# Altium PCB RX_test_01.PcbDoc (part 2 of 3) (continued)
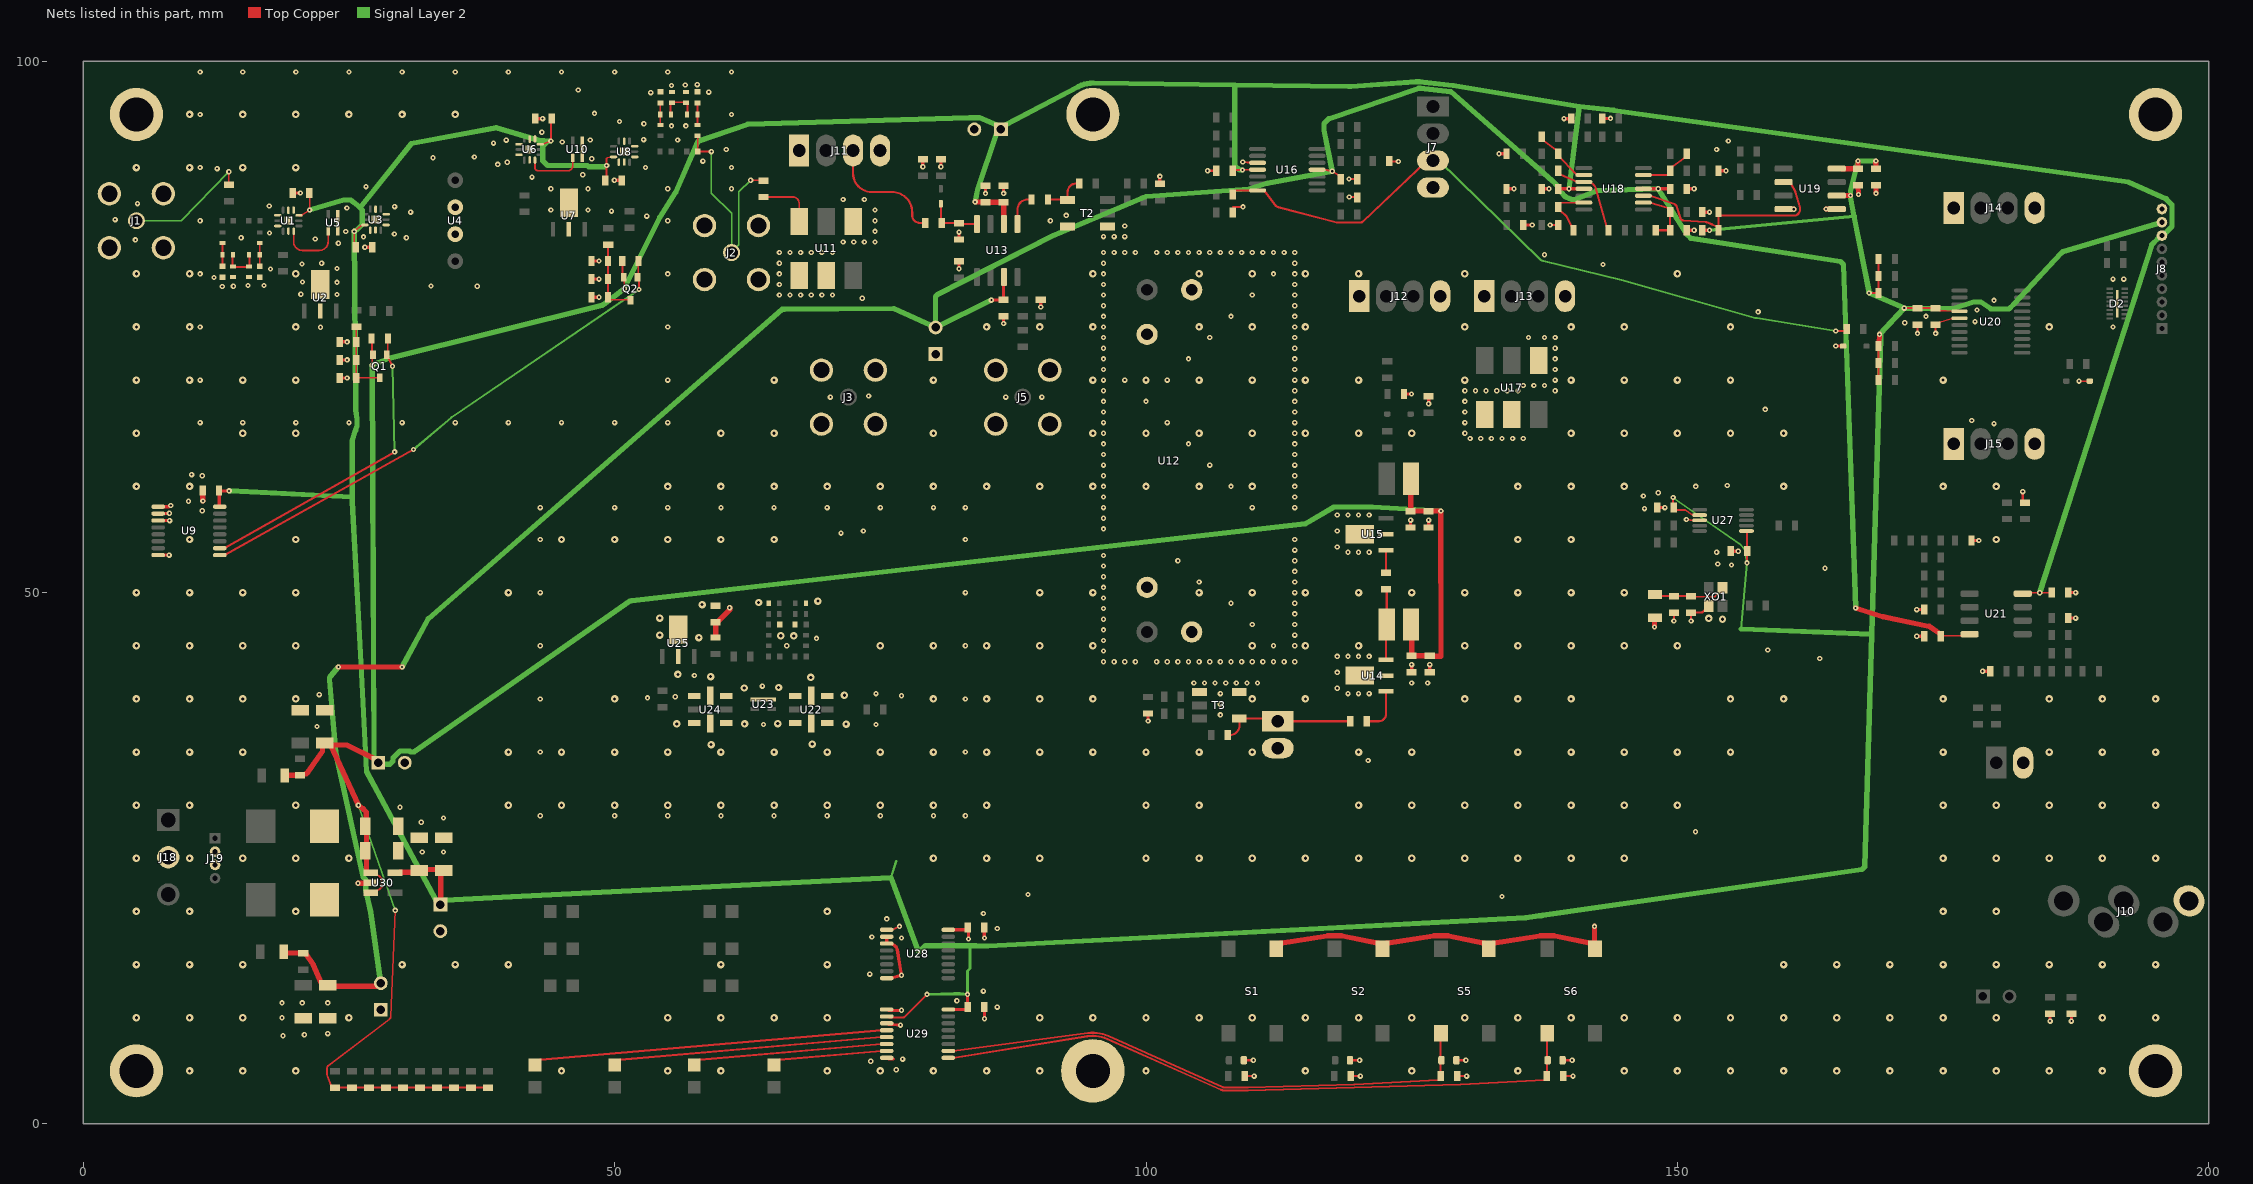
[diagram p4: the nets of this part, all layers, seen from the top]
## Part data (continued)
R62 R64: library part RC0603FR-072K4L, "RES SMD 2.4K OHM 1% 1/10W 0603", Manufacturer=Yageo, Operating Temperature="-55°C ~ 155°C", Package / Case="0603 (1608 Metric)", Power (Watts)="0.1W, 1/10W", Resistance=2k4, Supplier Device Package=0603, Supplier Part Number 1=603-RC0603FR-072K4L, Temperature Coefficient=±100ppm/°C, Tolerance=±1%, Category=Resistors, ComponentLink1Description=http://www.yageo.com/documents/recent/PYu-RC_Group_51_RoHS_L_8.pdf, ComponentLink1URL=http://www.yageo.com/documents/recent/PYu-RC_Group_51_RoHS_L_8.pdf, Composition="Thick Film", Failure Rate=-, Features="Moisture Resistant", Height - Seated (Max)="0.022\" (0.55mm)", Manufacturer Part Number=RC0603FR-072K4L, Packaging="Cut Tape (CT)", Part Status=Active, Pricing 1="1=0.1, 10=0.015, 100=0.006, 1000=0.00268, 2500=0.00233 (USD)", RoHS="RoHS Compliant", Size / Dimension="0.063\" L x 0.032\" W (1.60mm x 0.80mm)", Stock 1=577810, Supplier 1=Mouser, Supplier 2=Farnell, Supplier 3=Digi-Key, Supplier Part Number 2=1799329, Supplier Part Number 3=311-2.40KHRCT-ND
R63 R65: library part RC0603FR-073KL, "RES SMD 3K OHM 1% 1/10W 0603", Case Code (Imperial)=0603, Case Code (Metric)=1608, Manufacturer=Yageo, Max Operating Temperature=155°C, Max Power Dissipation=100mW, Min Operating Temperature=-55°C, Resistance=3k, Resistance Tolerance=1%, Resistor Type="Thick Film", Supplier Part Number 1=603-RC0603FR-073KL, Temperature Coefficient=100ppm/°C, Voltage Rating=50V, Case/Package=0603, Category="Chip SMD Resistors", ComponentLink1Description=http://components.arrow.com/part/dataview/0323_00200942?src-supplier=Arrow+Europe, ComponentLink1URL=http://components.arrow.com/part/dataview/0323_00200942?src-supplier=Arrow+Europe, ComponentLink2Description=http://www.mouser.com/ds/2/447/RC0603-272842.pdf?src-supplier=Mouser, ComponentLink2URL=http://www.mouser.com/ds/2/447/RC0603-272842.pdf?src-supplier=Mouser, ComponentLink3Description=http://www.farnell.com/datasheets/2167052.pdf?src-supplier=Farnell, ComponentLink3URL=http://www.farnell.com/datasheets/2167052.pdf?src-supplier=Farnell, ComponentLink4Description=https://www.verical.com/server-webapp/html/getDatasheet?partID=135099&src-supplier=Verical, ComponentLink4URL=https://www.verical.com/server-webapp/html/getDatasheet?partID=135099&src-supplier=Verical, ComponentLink5Description=http://www.farnell.com/datasheets/2167052.pdf?src-supplier=Element14, ComponentLink5URL=http://www.farnell.com/datasheets/2167052.pdf?src-supplier=Element14, ComponentLink6Description=http://www.farnell.com/datasheets/1868787.pdf?src-supplier=Newark, ComponentLink6URL=http://www.farnell.com/datasheets/1868787.pdf?src-supplier=Newark, ComponentLink7Description=http://www.yageo.com/documents/recent/PYu-RC0603_51_RoHS_L_7.pdf?src-supplier=Future+Electronics, ComponentLink7URL=http://www.yageo.com/documents/recent/PYu-RC0603_51_RoHS_L_7.pdf?src-supplier=Future+Electronics, ComponentLink8Description=http://www.yageo.com/documents/recent/PYu-RC_Group_51_RoHS_L_9.pdf?src-supplier=Digi-Key, ComponentLink8URL=http://www.yageo.com/documents/recent/PYu-RC_Group_51_RoHS_L_9.pdf?src-supplier=Digi-Key, ComponentLink9Description=http://www.yageo.com/documents/recent/PYu-RC_Group_51_RoHS_L_10.pdf?src-supplier=Digi-Key, ComponentLink9URL=http://www.yageo.com/documents/recent/PYu-RC_Group_51_RoHS_L_10.pdf?src-supplier=Digi-Key, Construction=Rectangular, Depth=0.8mm, Features="Moisture Resistant", Lead Free="Lead Free", Length=1.6mm, Manufacturer Part Number=RC0603FR-073KL, Military Standard=Not, Number of Pins=2, Number of Terminations=2, Packaging="Tape and Reel", Power Rating=100mW, Pricing 1="1=0.10000, 10=0.01800, 50=0.01800, 100=0.00600, 1000=0.00500, 10000=0.00300 (USD)", REACH SVHC="No SVHC", RoHS=Yes, RoHS Compliant=Yes, Series=RC, Size Code=0603, Stock 1=515955, Supplier 1=Mouser, Supplier 2=Farnell, Supplier 3=Digi-Key, Supplier Part Number 2=3495834, Supplier Part Number 3=311-3.00KHRCT-ND, Termination=SMD/SMT, Tolerance=1%, Voltage Rating (DC)=50V, Width=800um
R73 R94 R97: library part RC0603FR-0718KL, "YAGEO (PHYCOMP) - RC0603FR-0718KL - SMD Chip Resistor, 0603 [1608 Metric], 18 kohm, RC Series, 75 V, Thick Film, 100 mW", Case Code (Imperial)=0603, Case Code (Metric)=1608, Manufacturer=Yageo, Max Operating Temperature=155°C, Max Power Dissipation=100mW, Min Operating Temperature=-55°C, Resistance=18k, Resistance Tolerance=1%, Resistor Type="Thick Film", Supplier Part Number 1=603-RC0603FR-0718KL, Temperature Coefficient=100ppm/°C, Voltage Rating=75V, Voltage Rating (DC)=50V, Case/Package=0603, Category="Chip SMD Resistors", ComponentLink1Description=https://datasheet.ciiva.com/11819/0900766b80f96399-11819270.pdf?src-supplier=RSComponents, ComponentLink1URL=https://datasheet.ciiva.com/11819/0900766b80f96399-11819270.pdf?src-supplier=RSComponents, ComponentLink2Description=https://datasheet.ciiva.com/15189/getdatasheetpartid-325162-15189626.pdf?src-supplier=Verical, ComponentLink2URL=https://datasheet.ciiva.com/15189/getdatasheetpartid-325162-15189626.pdf?src-supplier=Verical, ComponentLink3Description=https://datasheet.ciiva.com/7746/443971-7746268.pdf?src-supplier=Element14, ComponentLink3URL=https://datasheet.ciiva.com/7746/443971-7746268.pdf?src-supplier=Element14, ComponentLink4Description=https://datasheet.ciiva.com/7746/443971-7746269.pdf?src-supplier=Element14, ComponentLink4URL=https://datasheet.ciiva.com/7746/443971-7746269.pdf?src-supplier=Element14, Construction=Rectangular, Depth=0.8mm, Features="Moisture Resistant", Height=0.45mm, Lead Free="Lead Free", Length=1.6mm, Manufacturer Part Number=RC0603FR-0718KL, Military Standard=Not, Number of Pins=2, Number of Terminations=2, Packaging="Tape and Reel", Power Rating=100mW, Pricing 1="1=0,10000, 10=0,01800, 50=0,01800, 100=0,00600, 1000=0,00500, 10000=0,00300 (USD)", REACH SVHC=Unknown, RoHS=Yes, RoHS Compliant=Yes, Series=RC, Size Code=0603, Stock 1=137359, Supplier 1=Mouser, Supplier 2=Farnell, Supplier 3=Digi-Key, Supplier Part Number 2=9238638, Supplier Part Number 3=311-18.0KHRCT-ND, Technology="THICK FILM", Termination=SMD/SMT, Tolerance=1%, Weight=7.1E-05oz, Width=0.8mm
R91 R92: library part RC0603FR-073R9L, "YAGEO - RC0603FR-073R9L - RES, 3R9, 1%, 0.1W, 0603, THICK FILM", Case Code (Imperial)=0603, Case Code (Metric)=1608, Manufacturer=Yageo, Max Operating Temperature=155°C, Max Power Dissipation=100mW, Min Operating Temperature=-55°C, Resistance=3R9, Supplier Part Number 1=603-RC0603FR-073R9L, Temperature Coefficient=200ppm/°C, Tolerance=1%, Voltage Rating=50V, Case/Package=0603, ComponentLink1Description=https://datasheet.ciiva.com/11819/0900766b80c66297-11819668.pdf?src-supplier=RSComponents, ComponentLink1URL=https://datasheet.ciiva.com/11819/0900766b80c66297-11819668.pdf?src-supplier=RSComponents, ComponentLink2Description=https://datasheet.ciiva.com/12575/rc0603-272842-12575846.pdf?src-supplier=Mouser, ComponentLink2URL=https://datasheet.ciiva.com/12575/rc0603-272842-12575846.pdf?src-supplier=Mouser, Composition="Thick Film", Depth=0.8mm, Features="Moisture Resistant", Height=0.45mm, Length=1.6mm, Manufacturer Part Number=RC0603FR-073R9L, Military Standard=Not, Number of Pins=2, Number of Terminations=2, Packaging="Tape and Reel", Power Rating=100mW, Pricing 1="1 = 0.15000, 10 = 0.03600, 50 = 0.03600, 100 = 0.01200, 1000 = 0.00900, 5000 = 0.00600, 10000 = 0.00600, 25000 = 0.00500, 50000 = 0.00400 (USD)", REACH SVHC=Unknown, RoHS=Yes, Stock 1=33978, Supplier 1=Mouser, Supplier 2=Farnell, Supplier 3=Arrow, Supplier Part Number 2=9238190, Supplier Part Number 3=RC0603FR-073R9L, Termination=SMD/SMT, Voltage Rating (DC)=50V, Width=0.8mm
R96: library part RC0603FR-072KL, "RES SMD 2K OHM 1% 1/10W 0603", Manufacturer=Yageo, Operating Temperature="-55°C ~ 155°C", Package / Case="0603 (1608 Metric)", Power (Watts)="0.1W, 1/10W", Resistance=2k, Supplier Device Package=0603, Supplier Part Number 1=603-RC0603FR-072KL, Temperature Coefficient=±100ppm/°C, Tolerance=±1%, Category=Resistors, ComponentLink1Description=http://www.yageo.com/documents/recent/PYu-RC_Group_51_RoHS_L_8.pdf, ComponentLink1URL=http://www.yageo.com/documents/recent/PYu-RC_Group_51_RoHS_L_8.pdf, Composition="Thick Film", Failure Rate=-, Features="Moisture Resistant", Height - Seated (Max)="0.022\" (0.55mm)", Manufacturer Part Number=RC0603FR-072KL, Packaging="Cut Tape (CT)", Part Status=Active, Pricing 1="1=0.1, 10=0.015, 100=0.006, 1000=0.00268, 2500=0.00233 (USD)", RoHS="RoHS Compliant", Size / Dimension="0.063\" L x 0.032\" W (1.60mm x 0.80mm)", Stock 1=3375770, Supplier 1=Mouser, Supplier 2=Farnell, Supplier 3=Digi-Key, Supplier 4=Arrow, Supplier Part Number 2=1799328, Supplier Part Number 3=311-2.00KHRCT-ND, Supplier Part Number 4=RC0603FR-072KL
S1 S2 S5 S6: "WS-TASV SMT Tact Switch, 6x6x4.3mm, 160gf", Manufacturer="Wurth Elektronik", Operating Temperature="-40 to +85degC", Rated Current=50mA, Rated Voltage=12VDC, Supplier Part Number 1=710-430182043816, ComponentLink1Description=Manufacturer, ComponentLink1URL=http://www.we-online.de, ComponentLink2Description=Datasheet, ComponentLink2URL=https://www.we-online.com/catalog/datasheet/430182043816.pdf, Contact Material="Stainless Steel", Contact Plating=Silver, Manufacturer Part Number=430182043816, Mounting Technology=SMT, Operation Force=160gf, Packaging="Tape and Reel", Published Date="November 2020", Size=6x6x4.3mm, Supplier 1=Mouser, Supplier 2=Farnell, Supplier 3=RSComponents, Supplier Part Number 2=2065105, Supplier Part Number 3=7856260, Terminal Material="Copper Alloy", Terminal Plating=Silver, Washable=No
T2 T3: "RF Transformer, 50 ohm, 16.0: 1, 0.60-160 MHz, SMT", Manufacturer=Mini-Circuits, Supplier Part Number 1=139-TC16-161T, Manufacturer Part Number=TC16-161T+, Pricing 1="1=3.45000, 10=2.88000, 50=2.88000, 100=2.36000, 250=1.96000, 500=1.84000, 1000=1.73000, 2000=1.64000, 4000=1.52000, 10000=1.49000 (USD)", RoHS=Yes, RoHS Compliant=Yes, Stock 1=1094, Supplier 1=Mouser, Supplier 2=Digi-Key, Supplier Part Number 2=3157-TC16-161T+CT-ND
U1 U3 U6 U8: "RF Switch, SP3T, 0.1 - 6.0 GHz, 0.45 dB IL, 30 dB isolation, SOI, 12-pin QFN pkg", Case/Package=QFN, Manufacturer="Skyworks Solutions", Max Operating Temperature=105°C, Min Operating Temperature=-40°C, Supplier Part Number 1=873-SKY13588-460LF, Category="RF Semiconductors and Devices", ComponentLink1Description=http://www.mouser.com/ds/2/472/SKY13588_460LF_203512B-875813.pdf?src-supplier=Mouser, ComponentLink1URL=http://www.mouser.com/ds/2/472/SKY13588_460LF_203512B-875813.pdf?src-supplier=Mouser, ComponentLink2Description=http://www.skyworksinc.com/uploads/documents/SKY13588_460LF_203512D.pdf?src-supplier=Digi-Key, ComponentLink2URL=http://www.skyworksinc.com/uploads/documents/SKY13588_460LF_203512D.pdf?src-supplier=Digi-Key, IIP3=70dBm, Impedance=50R, Manufacturer Part Number=SKY13588-460LF, Packaging="Tape and Reel", Pricing 1="1=1.27000, 10=1.09000, 50=1.09000, 100=0.83300, 1000=0.58200, 10000=0.48100 (USD)", RoHS=Yes, RoHS Compliant=Yes, Stock 1=5209, Supplier 1=Mouser, Supplier 2=Digi-Key, Supplier Part Number 2=863-1817-1-ND, Throw Configuration=SP3T
U2 U7: "LNA NF=0.6dB ML AMPL / SURF MT / 4GHZ RoHS", Manufacturer=Mini-Circuits, Supplier Part Number 1=139-PGA-103, Category="RF Amplifiers", ComponentLink1Description=https://datasheet.octopart.com/PGA-103%2B-Mini-Circuits-datasheet-79796973.pdf?src-supplier=Component+Distributors+Inc., ComponentLink1URL=https://datasheet.octopart.com/PGA-103%2B-Mini-Circuits-datasheet-79796973.pdf?src-supplier=Component+Distributors+Inc., Manufacturer Part Number=PGA-103+, Pricing 1="1=3.67000, 10=3.28000, 50=3.28000, 100=2.69000, 1000=1.83000, 10000=1.74000 (USD)", RoHS Compliant=Yes, Stock 1=449, Supplier 1=Mouser, Supplier 2=Digi-Key, Supplier Part Number 2=3157-PGA-103+CT-ND
U4: "Saw Filters 446MHz", Frequency=446MHz, Manufacturer=Abracon, Max Operating Temperature=80°C, Min Operating Temperature=-40°C, Supplier Part Number 1=815-AFS446.0W2-TD1, Voltage Rating (DC)=10V, Category="EMI / RFI Components", ComponentLink1Description=https://datasheet.ciiva.com/4548/afs446-0w02-td01-43048-4548368.pdf?src-supplier=Mouser, ComponentLink1URL=https://datasheet.ciiva.com/4548/afs446-0w02-td01-43048-4548368.pdf?src-supplier=Mouser, Impedance=50R, Insertion Loss=4.5dB, Manufacturer Part Number=AFS446.0W02-TD01, Pricing 1="1=0.93000, 10=0.85800, 50=0.70100, 100=0.57200, 1000=0.48600, 10000=0.34600 (USD)", RoHS=Yes, RoHS Compliant=Yes, Stock 1=608, Supplier 1=Mouser, Termination=Radial
U5 U10: "Chip Attenuator 10GHz 10dB, 100mW", Attenuation Value=10dB, Case Code (Imperial)=0805, Case Code (Metric)=2012, Manufacturer=Susumu, Max Power Dissipation=100mW, Package Quantity=1, Supplier Part Number 1=754-PAT1220C10DBT5, Case/Package=0805, Category=Uncategorized, ComponentLink1Description=https://datasheet.ciiva.com/15101/getdatasheetpartid-483968-15101130.pdf?src-supplier=Verical, ComponentLink1URL=https://datasheet.ciiva.com/15101/getdatasheetpartid-483968-15101130.pdf?src-supplier=Verical, ComponentLink2Description=https://datasheet.ciiva.com/2788/products-38-2788376.pdf?src-supplier=Digi-Key, ComponentLink2URL=https://datasheet.ciiva.com/2788/products-38-2788376.pdf?src-supplier=Digi-Key, ComponentLink3Description=https://datasheet.ciiva.com/2788/products-38-2788374.pdf?src-supplier=Digi-Key, ComponentLink3URL=https://datasheet.ciiva.com/2788/products-38-2788374.pdf?src-supplier=Digi-Key, ComponentLink4Description=https://datasheet.ciiva.com/2788/products-38-2788375.pdf?src-supplier=Digi-Key, ComponentLink4URL=https://datasheet.ciiva.com/2788/products-38-2788375.pdf?src-supplier=Digi-Key, Impedance=50R, Lead Free="Lead Free", Manufacturer Part Number=PAT1220-C-10DB-T5, Number of Pins=3, Packaging="Tape and Reel", Pricing 1="1=0.35000, 10=0.30800, 25=0.27800, 100=0.24300, 250=0.21300, 500=0.18800, 1000=0.14800, 5000=0.12500, 10000=0.12000 (USD)", RoHS=Yes, Supplier 1=Mouser
U9 U28 U29: "IC I/O EXPANDER I2C 8B 16TSSOP", Case/Package=TSSOP, Frequency=400kHz, Manufacturer="Texas Instruments", Max Operating Temperature=85°C, Min Operating Temperature=-40°C, Supplier Part Number 1=595-TCA9534APWR, ComponentLink1Description=http://www.ti.com/general/docs/lit/getliterature.tsp?genericPartNumber=TCA9534A&&fileType=pdf&src-supplier=Avnet, ComponentLink1URL=http://www.ti.com/general/docs/lit/getliterature.tsp?genericPartNumber=TCA9534A&&fileType=pdf&src-supplier=Avnet, ComponentLink2Description=http://www.ti.com/lit/ds/symlink/tca9534a.pdf?src-supplier=Digi-Key, ComponentLink2URL=http://www.ti.com/lit/ds/symlink/tca9534a.pdf?src-supplier=Digi-Key, ComponentLink3Description=http://www.ti.com/general/docs/lit/getliterature.tsp?genericPartNumber=TCA9534A&&fileType=pdf&src-supplier=Avnet+Asia, ComponentLink3URL=http://www.ti.com/general/docs/lit/getliterature.tsp?genericPartNumber=TCA9534A&&fileType=pdf&src-supplier=Avnet+Asia, ComponentLink4Description=http://www.ti.com/lit/pdf/sszc003?src-supplier=Digi-Key, ComponentLink4URL=http://www.ti.com/lit/pdf/sszc003?src-supplier=Digi-Key, Contact Plating=Gold, Interface=I2C, Lead Free="Lead Free", Manufacturer Part Number=TCA9534APWR, Mount="Surface Mount", Number of I/Os=8, Number of Outputs=8, Number of Pins=16, Packaging="Tape and Reel", Pricing 1="1 = 1.25000, 10 = 1.07000, 50 = 1.07000, 100 = 0.81500, 500 = 0.72100, 1000 = 0.56900, 2000 = 0.50500, 10000 = 0.48600, 24000 = 0.47000, 50000 = 0.45500 (USD)", RoHS=Yes, Stock 1=3614, Supplier 1=Mouser, Supplier 2=Digi-Key, Supplier 3=Arrow, Supplier Part Number 2=296-40573-1-ND, Supplier Part Number 3=TCA9534APWR
U11 U17: "RF Mixer, 0.50 to 500 MHz, SMT", Manufacturer=Mini-Circuits, Supplier Part Number 1=139-ADE-1H, Category="RF Mixers", Manufacturer Part Number=ADE-1H+, Pricing 1="1=8.29000, 10=7.49000, 50=7.14000, 100=6.20000, 1000=4.69000, 10000=4.69000 (USD)", RoHS=Yes, Stock 1=949, Supplier 1=Mouser, Supplier 2=Digi-Key, Supplier Part Number 2=3157-ADE-1H+CT-ND
U12: "10.7 MHz crystal band-pass filter, 8 poles / - Bandwidth (-3dB): 12 KHz / - Selectivity: 90 dB / - Impedance: 900 Ω / - Dimensions: 38 x 18 mm, h 12 mm"
U13: "Differential High-Frequency Amplifier with AGC 8-SOIC 0 to 70", Case/Package=D, Dual Supply Voltage=6V, Input Bias Current=30uA, Manufacturer="Texas Instruments", Max Dual Supply Voltage=8V, Max Operating Temperature=70°C, Max Power Dissipation=725mW, Min Dual Supply Voltage=3V, Min Operating Temperature=0°C, Nominal Supply Current=27mA, Operating Supply Current=22mA, Operating Supply Voltage=16V, Output Current per Channel=4mA, Package Quantity=75, Supplier Part Number 1=595-TL026CD, Voltage Gain=38.59dB, -3db Bandwidth=50MHz, Bandwidth=50MHz, Category="Amplifiers - Op Amps, Buffer, Instrumentation", Common Mode Rejection Ratio=60dB, ComponentLink1Description=https://datasheet.ciiva.com/26857/tl026cd-26857756.pdf?src-supplier=IIIC, ComponentLink1URL=https://datasheet.ciiva.com/26857/tl026cd-26857756.pdf?src-supplier=IIIC, ComponentLink2Description=https://datasheet.ciiva.com/28430/slfs007a-28430037.pdf?src-supplier=Avnet+Europe, ComponentLink2URL=https://datasheet.ciiva.com/28430/slfs007a-28430037.pdf?src-supplier=Avnet+Europe, ComponentLink3Description=https://datasheet.ciiva.com/26815/getdatasheetpartid-48553-26815191.pdf?src-supplier=Verical, ComponentLink3URL=https://datasheet.ciiva.com/26815/getdatasheetpartid-48553-26815191.pdf?src-supplier=Verical, ComponentLink4Description=https://datasheet.ciiva.com/1488/1835114-1488075.pdf?src-supplier=Element14, ComponentLink4URL=https://datasheet.ciiva.com/1488/1835114-1488075.pdf?src-supplier=Element14, ComponentLink5Description=https://datasheet.ciiva.com/1824/tl026-1824398.pdf?src-supplier=Digi-Key, ComponentLink5URL=https://datasheet.ciiva.com/1824/tl026-1824398.pdf?src-supplier=Digi-Key, ComponentLink6Description=https://datasheet.ciiva.com/48712/001011461-da-01-en-agc-video-amplifier-tl026cd-soic-8-tid-48712348.pdf?src-supplier=Conrad, ComponentLink6URL=https://datasheet.ciiva.com/48712/001011461-da-01-en-agc-video-amplifier-tl026cd-soic-8-tid-48712348.pdf?src-supplier=Conrad, Height=1.58mm, Lead Free="Lead Free", Length=4.9mm, Manufacturer Part Number=TL026CD, Max Supply Voltage=8V, Min Supply Voltage=3V, Number of Amplifiers=1, Number of Channels=1, Number of Circuits=1, Number of Elements=1, Number of Pins=8, Packaging=Rail/Tube, Power Dissipation=725mW, Pricing 1="1=2.57000, 10=2.46000, 50=2.46000, 100=2.45000, 1000=2.45000, 10000=1.45000 (USD)", Radiation Hardening=No, REACH SVHC="No SVHC", RoHS=Yes, RoHS Compliant=Yes, Series=TL026, Stock 1=1672, Supplier 1=Mouser, Supplier 2=Farnell, Supplier 3=Digi-Key, Supplier Part Number 2=1459444, Supplier Part Number 3=296-11818-5-ND, Supply Current=27mA, Technology=JFET, Weight=0.002561oz, Width=3.91mm
U14 U15 U25: "IC AMP INGAP LF-6GHZ SOT-89", Current - Supply=120mA, Frequency="0.1Hz ~ 6GHz", Manufacturer="Skyworks Solutions Inc.", Package / Case=TO-243AA, Supplier Device Package=SOT-89-3, Supplier Part Number 1=873-SKY65017-70LF, Test Frequency=2GHz, Voltage - Supply="4.5 V ~ 5.5 V", Category="RF/IF and RFID", ComponentLink1Description=http://www.skyworksinc.com/uploads/documents/SKY65017_70LF_200528G.pdf, ComponentLink1URL=http://www.skyworksinc.com/uploads/documents/SKY65017_70LF_200528G.pdf, Gain=20dB, Manufacturer Part Number=SKY65017-70LF, Noise Figure=5dB, P1dB="20dBm (100mW)", Packaging="Cut Tape (CT)", Part Status=Active, Pricing 1="1=3, 10=2.683, 25=2.4144, 100=2.1999, 250=1.98524, 500=1.78134 (USD)", RF Type="DBS, HLAN, WLAN", RoHS="RoHS Compliant", Stock 1=6721, Supplier 1=Mouser, Supplier 2=Digi-Key, Supplier Part Number 2=863-1063-1-ND
U16 U18: "OP-AMP, 1.2MHZ, 0.5V/ US, TSSOP-14", Amplifer Supply Voltage="± 1.5V to ± 16", Amplifier Case Style=TSSOP, Input Bias Current=250000, Manufacturer="TEXAS INSTRUMENTS", Operating Temperature Max=70, Operating Temperature Min=0, Operating Temperature Range="0°C to +70", Output Current=20, Quiescent Current=0.3, Supplier Part Number 1=595-LM324PWR, Supply Voltage Max=32, Supply Voltage Min=3, Bandwidth=1.2, ComponentLink1Description=http://www.farnell.com/datasheets/1877076.pdf, ComponentLink1URL=http://www.farnell.com/datasheets/1877076.pdf, ComponentLink2Description=http://www.farnell.com/datasheets/378369.pdf, ComponentLink2URL=http://www.farnell.com/datasheets/378369.pdf, Filter Terminals=SMD, Manufacturer Part Number=LM324PWR, MSL="MSL 1 - Unlimited", No. of Amplifiers=4, No. of Pins=14, Op Amp Type="High Gain", Packaging="Cut Tape", Pricing 1="5=0,171, 50=0,15, 250=0,126, 500=0,125, 1000=0,125 (EUR)", Pricing 3="1=0,24, 10=0,23, 100=0,23, 250=0,22, 500=0,21, 1000=0,21, 3000=0,171, 10000=0,157 (EUR)", RoHS=YES, Slew Rate=0.5, Stock 1=1889, Stock 3=1204, Supplier 1=Mouser, Supplier 2=Farnell, Supplier Part Number 2=2342289, Supply Voltage Range="± 1.5V to ± 16", SVHC="No SVHC (17-Dec-2014)"
  U18: Parameter 1=Jellybean
U19: "Microchip MCP6562-E/SN Dual Comparator, Push-Pull O/P, 3 V, 5 V 8-Pin SOIC", Case/Package=SOIC, Input Bias Current=1pA, Input Offset Voltage (Vos)=10mV, Manufacturer=Microchip, Max Operating Temperature=125°C, Max Supply Current=130uA, Max Supply Voltage=5.5V, Min Operating Temperature=-40°C, Min Supply Voltage=1.8V, Natural Thermal Resistance=163°C/W, Output Current=50mA, Package Quantity=100, Power Supply Rejection Ratio (PSRR)=70dB, Supplier Part Number 1=579-MCP6562-E/SN, Category=Comparators, Common Mode Rejection Ratio=66dB, ComponentLink1Description=https://datasheet.ciiva.com/1576/22139b-1576720.pdf?src-supplier=Newark, ComponentLink1URL=https://datasheet.ciiva.com/1576/22139b-1576720.pdf?src-supplier=Newark, ComponentLink2Description=https://datasheet.ciiva.com/15131/getdatasheetpartid-771954-15131482.pdf?src-supplier=Verical, ComponentLink2URL=https://datasheet.ciiva.com/15131/getdatasheetpartid-771954-15131482.pdf?src-supplier=Verical, ComponentLink3Description=https://datasheet.ciiva.com/26344/651517-da-01-en-ic-comp-mcp6562-e-sn-soic-8n-mcp-26344456.pdf?src-supplier=Conrad, ComponentLink3URL=https://datasheet.ciiva.com/26344/651517-da-01-en-ic-comp-mcp6562-e-sn-soic-8n-mcp-26344456.pdf?src-supplier=Conrad, ComponentLink4Description=https://datasheet.ciiva.com/1483/630456-1483745.pdf?src-supplier=Element14, ComponentLink4URL=https://datasheet.ciiva.com/1483/630456-1483745.pdf?src-supplier=Element14, ComponentLink5Description=https://datasheet.ciiva.com/2971/jp540574-2971157.pdf?src-supplier=Avnet, ComponentLink5URL=https://datasheet.ciiva.com/2971/jp540574-2971157.pdf?src-supplier=Avnet, ComponentLink6Description=https://datasheet.ciiva.com/16450/filehandler-aspxddocname-en540574-16450650.pdf?src-supplier=Future+Electronics, ComponentLink6URL=https://datasheet.ciiva.com/16450/filehandler-aspxddocname-en540574-16450650.pdf?src-supplier=Future+Electronics, ComponentLink7Description=https://datasheet.ciiva.com/1828/22139b-1828444.pdf?src-supplier=Digi-Key, ComponentLink7URL=https://datasheet.ciiva.com/1828/22139b-1828444.pdf?src-supplier=Digi-Key, ComponentLink8Description=https://datasheet.ciiva.com/17548/jp540574-17548718.pdf?src-supplier=Avnet+Europe, ComponentLink8URL=https://datasheet.ciiva.com/17548/jp540574-17548718.pdf?src-supplier=Avnet+Europe, ComponentLink9Description=https://datasheet.ciiva.com/12288/22139a-12288079.pdf?src-supplier=Mouser, ComponentLink9URL=https://datasheet.ciiva.com/12288/22139a-12288079.pdf?src-supplier=Mouser, Height=1.25mm, Hysteresis=5mV, Lead Free="Lead Free", Length=4.9mm, Manufacturer Part Number=MCP6562-E/SN, Mount="Surface Mount", Nominal Supply Current=130uA, Number of Channels=2, Number of Elements=2, Number of Pins=8, Output Type=TTL,PUSH-PULL, Packaging=Rail/Tube, Pricing 1="1=0.85000, 10=0.84800, 25=0.71100, 50=0.71100, 100=0.65900, 1000=0.65900, 10000=0.65900 (USD)", Propagation Delay=80ns, Quiescent Current=130uA, Radiation Hardening=No, REACH SVHC="No SVHC", Response Time=49ns, RoHS=Yes, RoHS Compliant=Yes, Stock 1=2727, Supplier 1=Mouser, Supplier 2=Farnell, Supplier 3=RSComponents, Supplier Part Number 2=1715875, Supplier Part Number 3=6696275, Supply Current=130uA, Technology=CMOS, Turn-On Delay Time=45ns, Type="General Purpose", Width=3.9mm
U20: "MCU 32-Bit STM32 ARM Cortex-M0+ RISC 32KB Flash 2V to 3.6V 20-Pin TSSOP T/R", Manufacturer=STMicroelectronics, Supplier Part Number 1=511-STM32G030F6P6TR, Category=Microcontrollers, Manufacturer Part Number=STM32G030F6P6TR, Pricing 1="1=1.84000, 10=1.66000, 50=1.66000, 100=1.29000, 250=1.21000, 500=1.07000, 1000=0.84100, 2500=0.78400, 5000=0.74700, 10000=0.74700 (USD)", RoHS=Yes, Stock 1=3310, Supplier 1=Mouser, Supplier 2=Digi-Key, Supplier Part Number 2=497-STM32G030F6P6TRCT-ND
U21: "2-channel, 10-MHz, 26-V output swing, low-noise audio op amp 8-SOIC 0 to 70", Case/Package=D, Dual Supply Voltage=9V, Input Bias Current=800nA, Input Offset Voltage (Vos)=4mV, Manufacturer="Texas Instruments", Max Dual Supply Voltage=15V, Max Operating Temperature=70°C, Min Dual Supply Voltage=5V, Min Operating Temperature=0°C, Nominal Supply Current=16mA, Operating Supply Current=8mA, Output Current=38mA, Package Quantity=1, Supplier Part Number 1=595-NE5532DR, Voltage Gain=100dB, Bandwidth=10MHz, Category="Amplifiers - Op Amps, Buffer, Instrumentation", Common Mode Rejection Ratio=70dB, ComponentLink1Description=https://datasheet.ciiva.com/1796/ne5532-1796190.pdf?src-supplier=Digi-Key, ComponentLink1URL=https://datasheet.ciiva.com/1796/ne5532-1796190.pdf?src-supplier=Digi-Key, ComponentLink2Description=https://datasheet.ciiva.com/1796/ne5532-1796189.pdf?src-supplier=Digi-Key, ComponentLink2URL=https://datasheet.ciiva.com/1796/ne5532-1796189.pdf?src-supplier=Digi-Key, ComponentLink3Description=https://datasheet.ciiva.com/1796/ne5532-1796191.pdf?src-supplier=Digi-Key, ComponentLink3URL=https://datasheet.ciiva.com/1796/ne5532-1796191.pdf?src-supplier=Digi-Key, Contact Plating=Gold, Gain Bandwidth Product=10MHz, Height=1.58mm, Lead Free="Lead Free", Length=4.9mm, Manufacturer Part Number=NE5532DR, Max I/O Voltage=4mV, Max Supply Voltage=15V, Nominal Gain Bandwidth Product=10MHz, Number of Amplifiers=2, Number of Channels=2, Number of Circuits=2, Number of Elements=2, Number of Pins=8, Output Current per Channel=38mA, Packaging="Tape and Reel", Parameter 1=Jellybean, Pricing 1="1=0.60000, 10=0.51400, 50=0.51400, 100=0.35600, 500=0.30100, 1000=0.23300, 2500=0.21100, 10000=0.21100 (USD)", Radiation Hardening=No, REACH SVHC="No SVHC", RoHS=Yes, RoHS Compliant=Yes, Slew Rate=9V/µs, Supplier 1=Mouser, Supplier 2=Farnell, Supplier 3=Digi-Key, Supplier Part Number 2=3117312, Supplier Part Number 3=296-13622-6-ND, Unity Gain Bandwidth Product=10MHz, Width=3.91mm
U22 U24: "SAW Filter 460MHzFrequency 50Ohm SMD 8Pin QCC8B", Manufacturer="RF360 Holdings", Supplier Part Number 1=871-B39461B5058Z810, Category="EMI / RFI Components", Manufacturer Part Number=B39461B5058Z810, Pricing 1="1=2.87000, 10=2.77000, 50=2.77000, 100=1.77000, 1000=1.46000, 10000=1.19000 (USD)", RoHS=No, Stock 1=2625, Supplier 1=Mouser
U23: "Chip Attenuator 10GHz 3dB, 100mW", Attenuation Value=3dB, Case Code (Imperial)=0805, Case Code (Metric)=2012, Manufacturer=Susumu, Max Power Dissipation=100mW, Package Quantity=1, Resistance=50R, Supplier Part Number 1=754-PAT1220C-3DBT5, Case/Package=0805, Category=Uncategorized, ComponentLink1Description=https://datasheet.ciiva.com/15101/getdatasheetpartid-506219-15101145.pdf?src-supplier=Verical, ComponentLink1URL=https://datasheet.ciiva.com/15101/getdatasheetpartid-506219-15101145.pdf?src-supplier=Verical, ComponentLink2Description=https://datasheet.ciiva.com/2788/products-38-2788365.pdf?src-supplier=Digi-Key, ComponentLink2URL=https://datasheet.ciiva.com/2788/products-38-2788365.pdf?src-supplier=Digi-Key, ComponentLink3Description=https://datasheet.ciiva.com/2788/products-38-2788366.pdf?src-supplier=Digi-Key, ComponentLink3URL=https://datasheet.ciiva.com/2788/products-38-2788366.pdf?src-supplier=Digi-Key, ComponentLink4Description=https://datasheet.ciiva.com/2788/products-38-2788367.pdf?src-supplier=Digi-Key, ComponentLink4URL=https://datasheet.ciiva.com/2788/products-38-2788367.pdf?src-supplier=Digi-Key, ComponentLink5Description=https://datasheet.ciiva.com/17406/products-38-17406815.pdf?src-supplier=Future+Electronics, ComponentLink5URL=https://datasheet.ciiva.com/17406/products-38-17406815.pdf?src-supplier=Future+Electronics, Impedance=50R, Lead Free="Lead Free", Manufacturer Part Number=PAT1220-C-3DB-T5, Mount="Surface Mount", Number of Pins=3, Packaging="Tape and Reel", Power Rating=100mW, Pricing 1="1=0.35000, 10=0.30800, 25=0.27800, 100=0.24300, 250=0.21300, 500=0.18800, 1000=0.14800, 5000=0.12500, 10000=0.12000 (USD)", RoHS=Yes, Stock 1=8775, Supplier 1=Mouser
U27: "IC CLK GENERATOR 200MHZ 10MSOP", Case/Package=MSOP, Manufacturer="Silicon Labs", Max Frequency=200MHz, Max Operating Temperature=85°C, Min Operating Temperature=-40°C, Operating Supply Current=22mA, Operating Supply Voltage=3.3V, Package Quantity=2500, Supplier Part Number 1=634-SI5351A-B-GTR, Category="Clock Generators, PLLs, Frequency Synthesizers", ComponentLink1Description=http://www.mouser.com/ds/2/368/Si5351-B-346869.pdf?src-supplier=Mouser, ComponentLink1URL=http://www.mouser.com/ds/2/368/Si5351-B-346869.pdf?src-supplier=Mouser, ComponentLink2Description=https://www.silabs.com/Support%20Documents/TechnicalDocs/Si5350-51-short.pdf?src-supplier=Digi-Key, ComponentLink2URL=https://www.silabs.com/Support%20Documents/TechnicalDocs/Si5350-51-short.pdf?src-supplier=Digi-Key, ComponentLink3Description=https://www.silabs.com/documents/public/data-sheets/Si5351-B.pdf?src-supplier=Digi-Key, ComponentLink3URL=https://www.silabs.com/documents/public/data-sheets/Si5351-B.pdf?src-supplier=Digi-Key, ComponentLink4Description=https://www.silabs.com/Support%20Documents/TechnicalDocs/Si5351-B.pdf?src-supplier=Avnet, ComponentLink4URL=https://www.silabs.com/Support%20Documents/TechnicalDocs/Si5351-B.pdf?src-supplier=Avnet, ComponentLink5Description=https://www.silabs.com/Support%20Documents/TechnicalDocs/Si5351-B.pdf?src-supplier=Avnet+Asia, ComponentLink5URL=https://www.silabs.com/Support%20Documents/TechnicalDocs/Si5351-B.pdf?src-supplier=Avnet+Asia, Input=Crystal, Manufacturer Part Number=SI5351A-B-GTR, Max Duty Cycle=55%, Mount="Surface Mount", Number of Circuits=2, Number of Outputs=3, Number of Pins=10, Packaging="Tape and Reel", PLL=Yes, RoHS=Yes, RoHS Compliant=Yes, Series=MultiSynth™, Supplier 1=Mouser, Supplier 2=Farnell, Supplier 3=Digi-Key, Supplier Part Number 2=3105964, Supplier Part Number 3=336-3908-1-ND